# Altium PCB BEAGLEPLAYV020_220915.brd.PcbDoc (part 1 of 12) (continued)
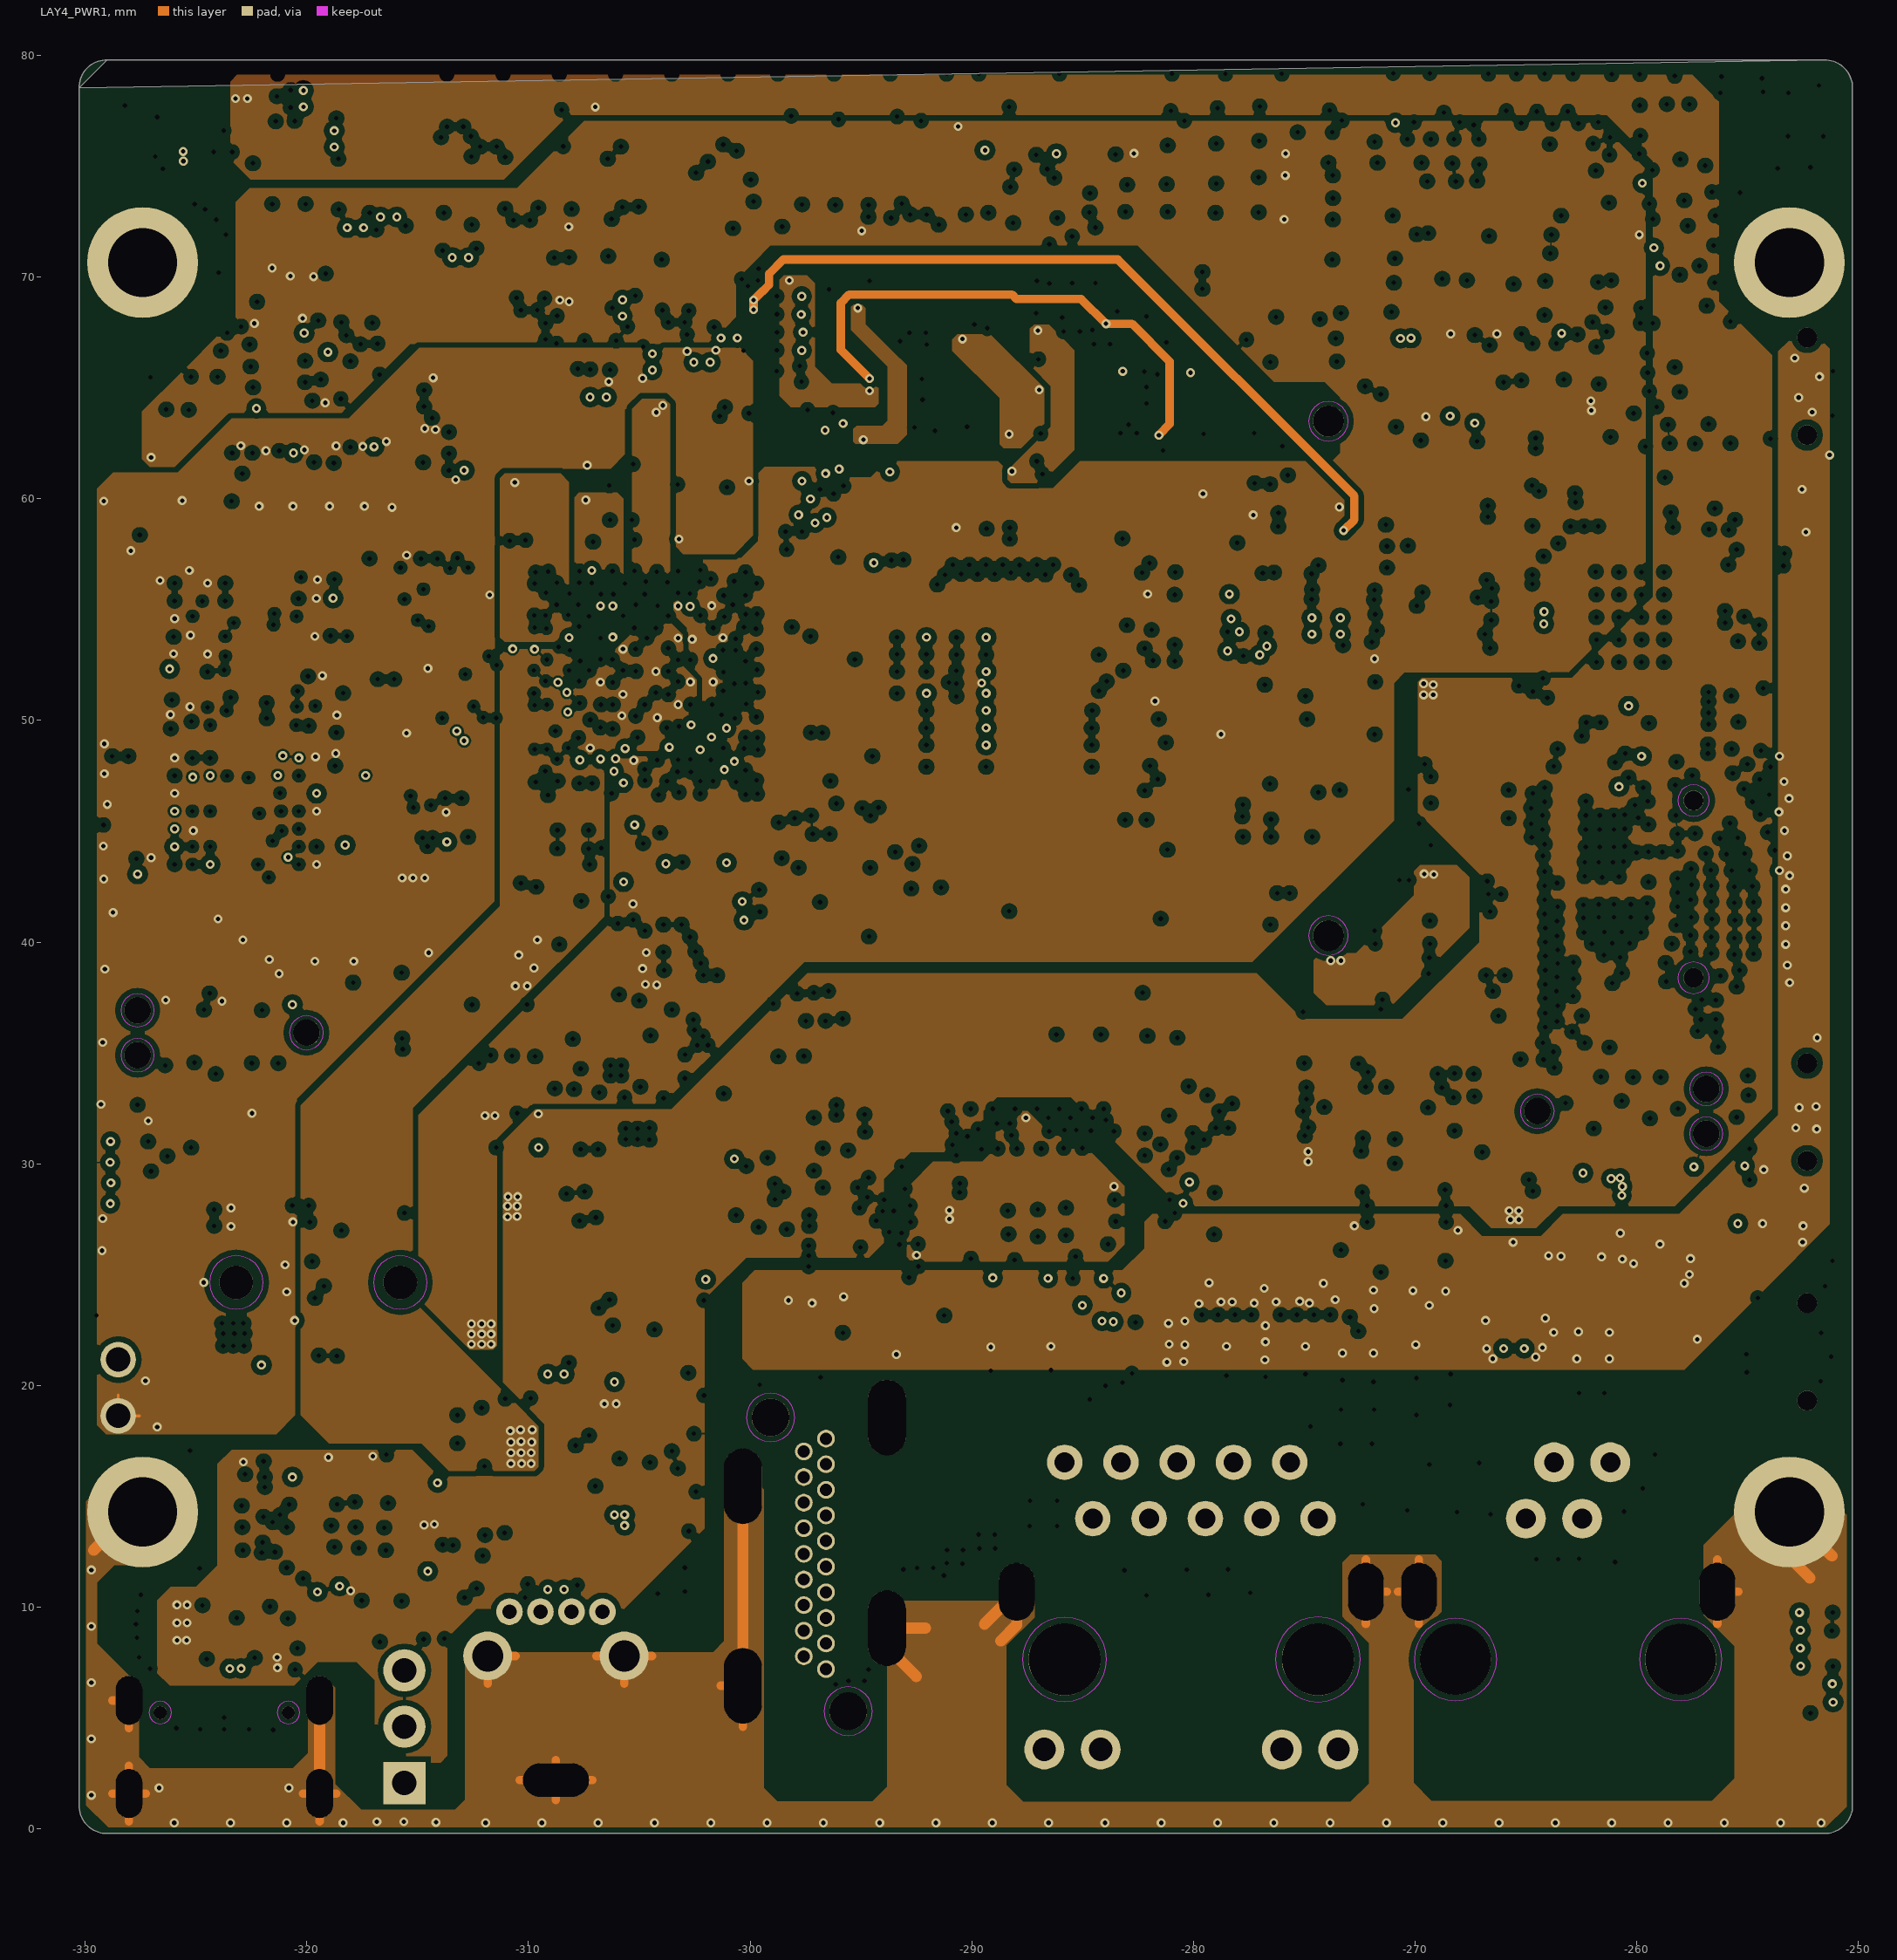
[diagram p4: LAY4_PWR1]
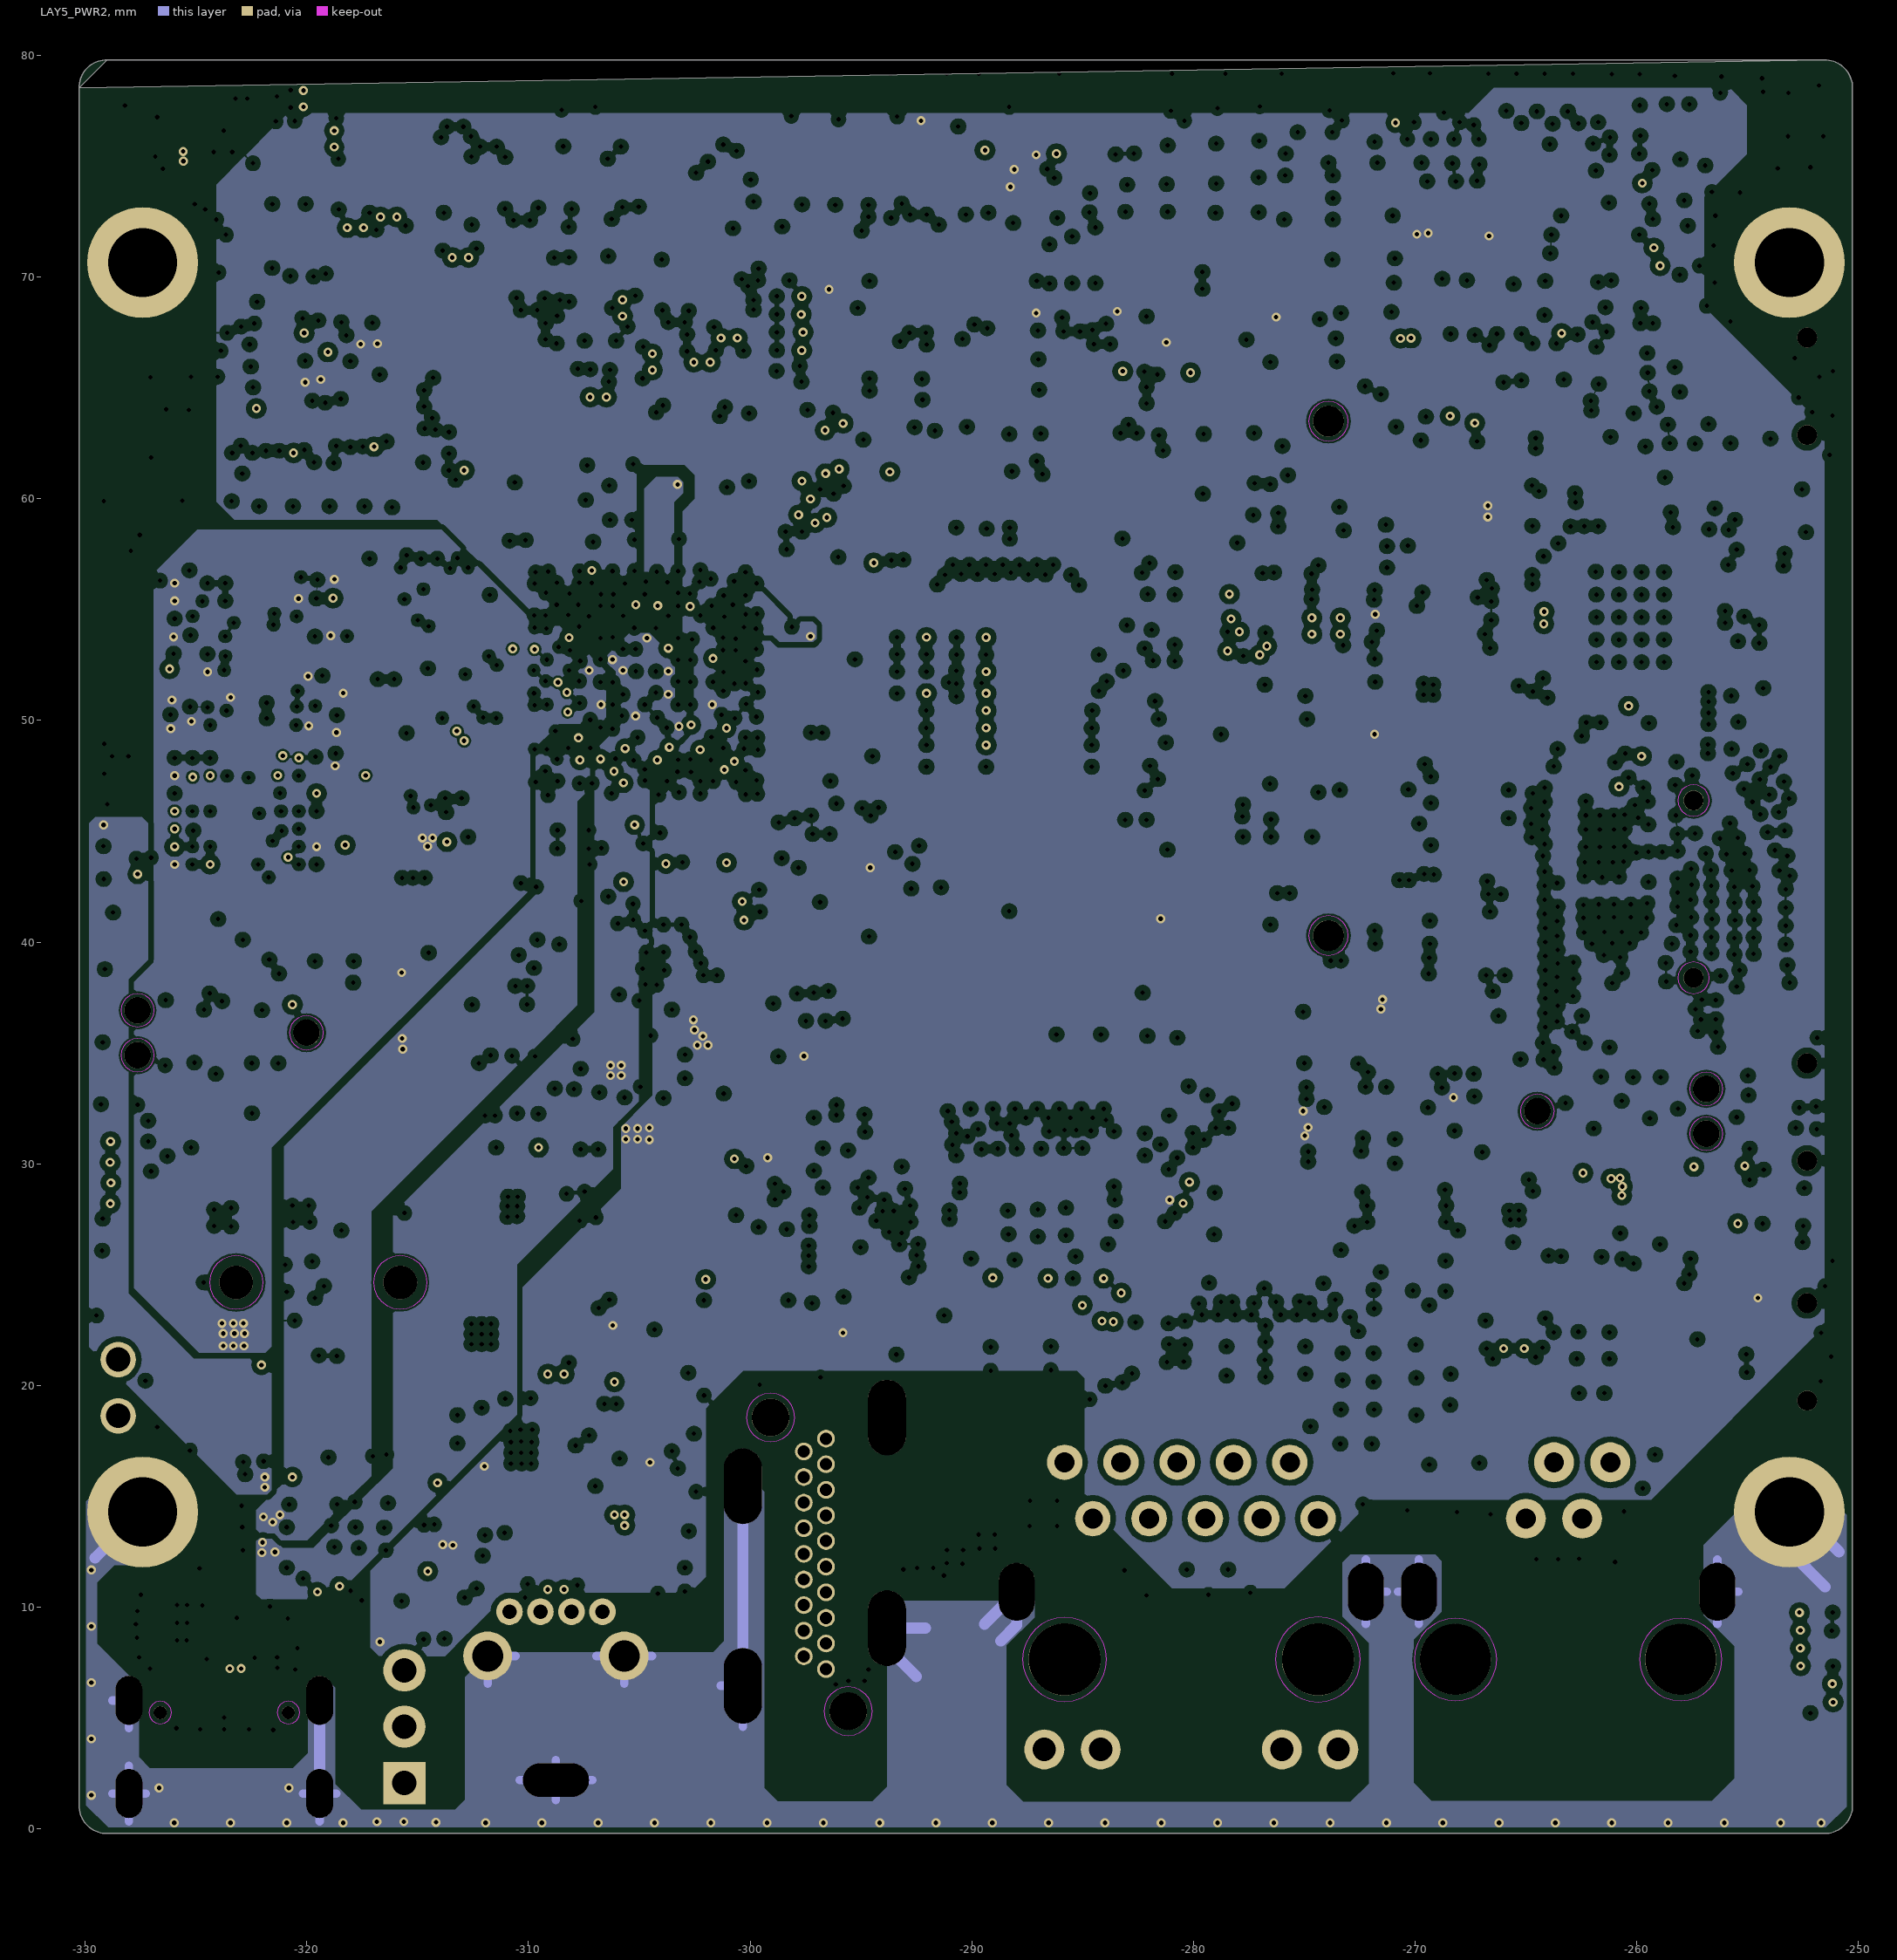
[diagram p5: LAY5_PWR2]
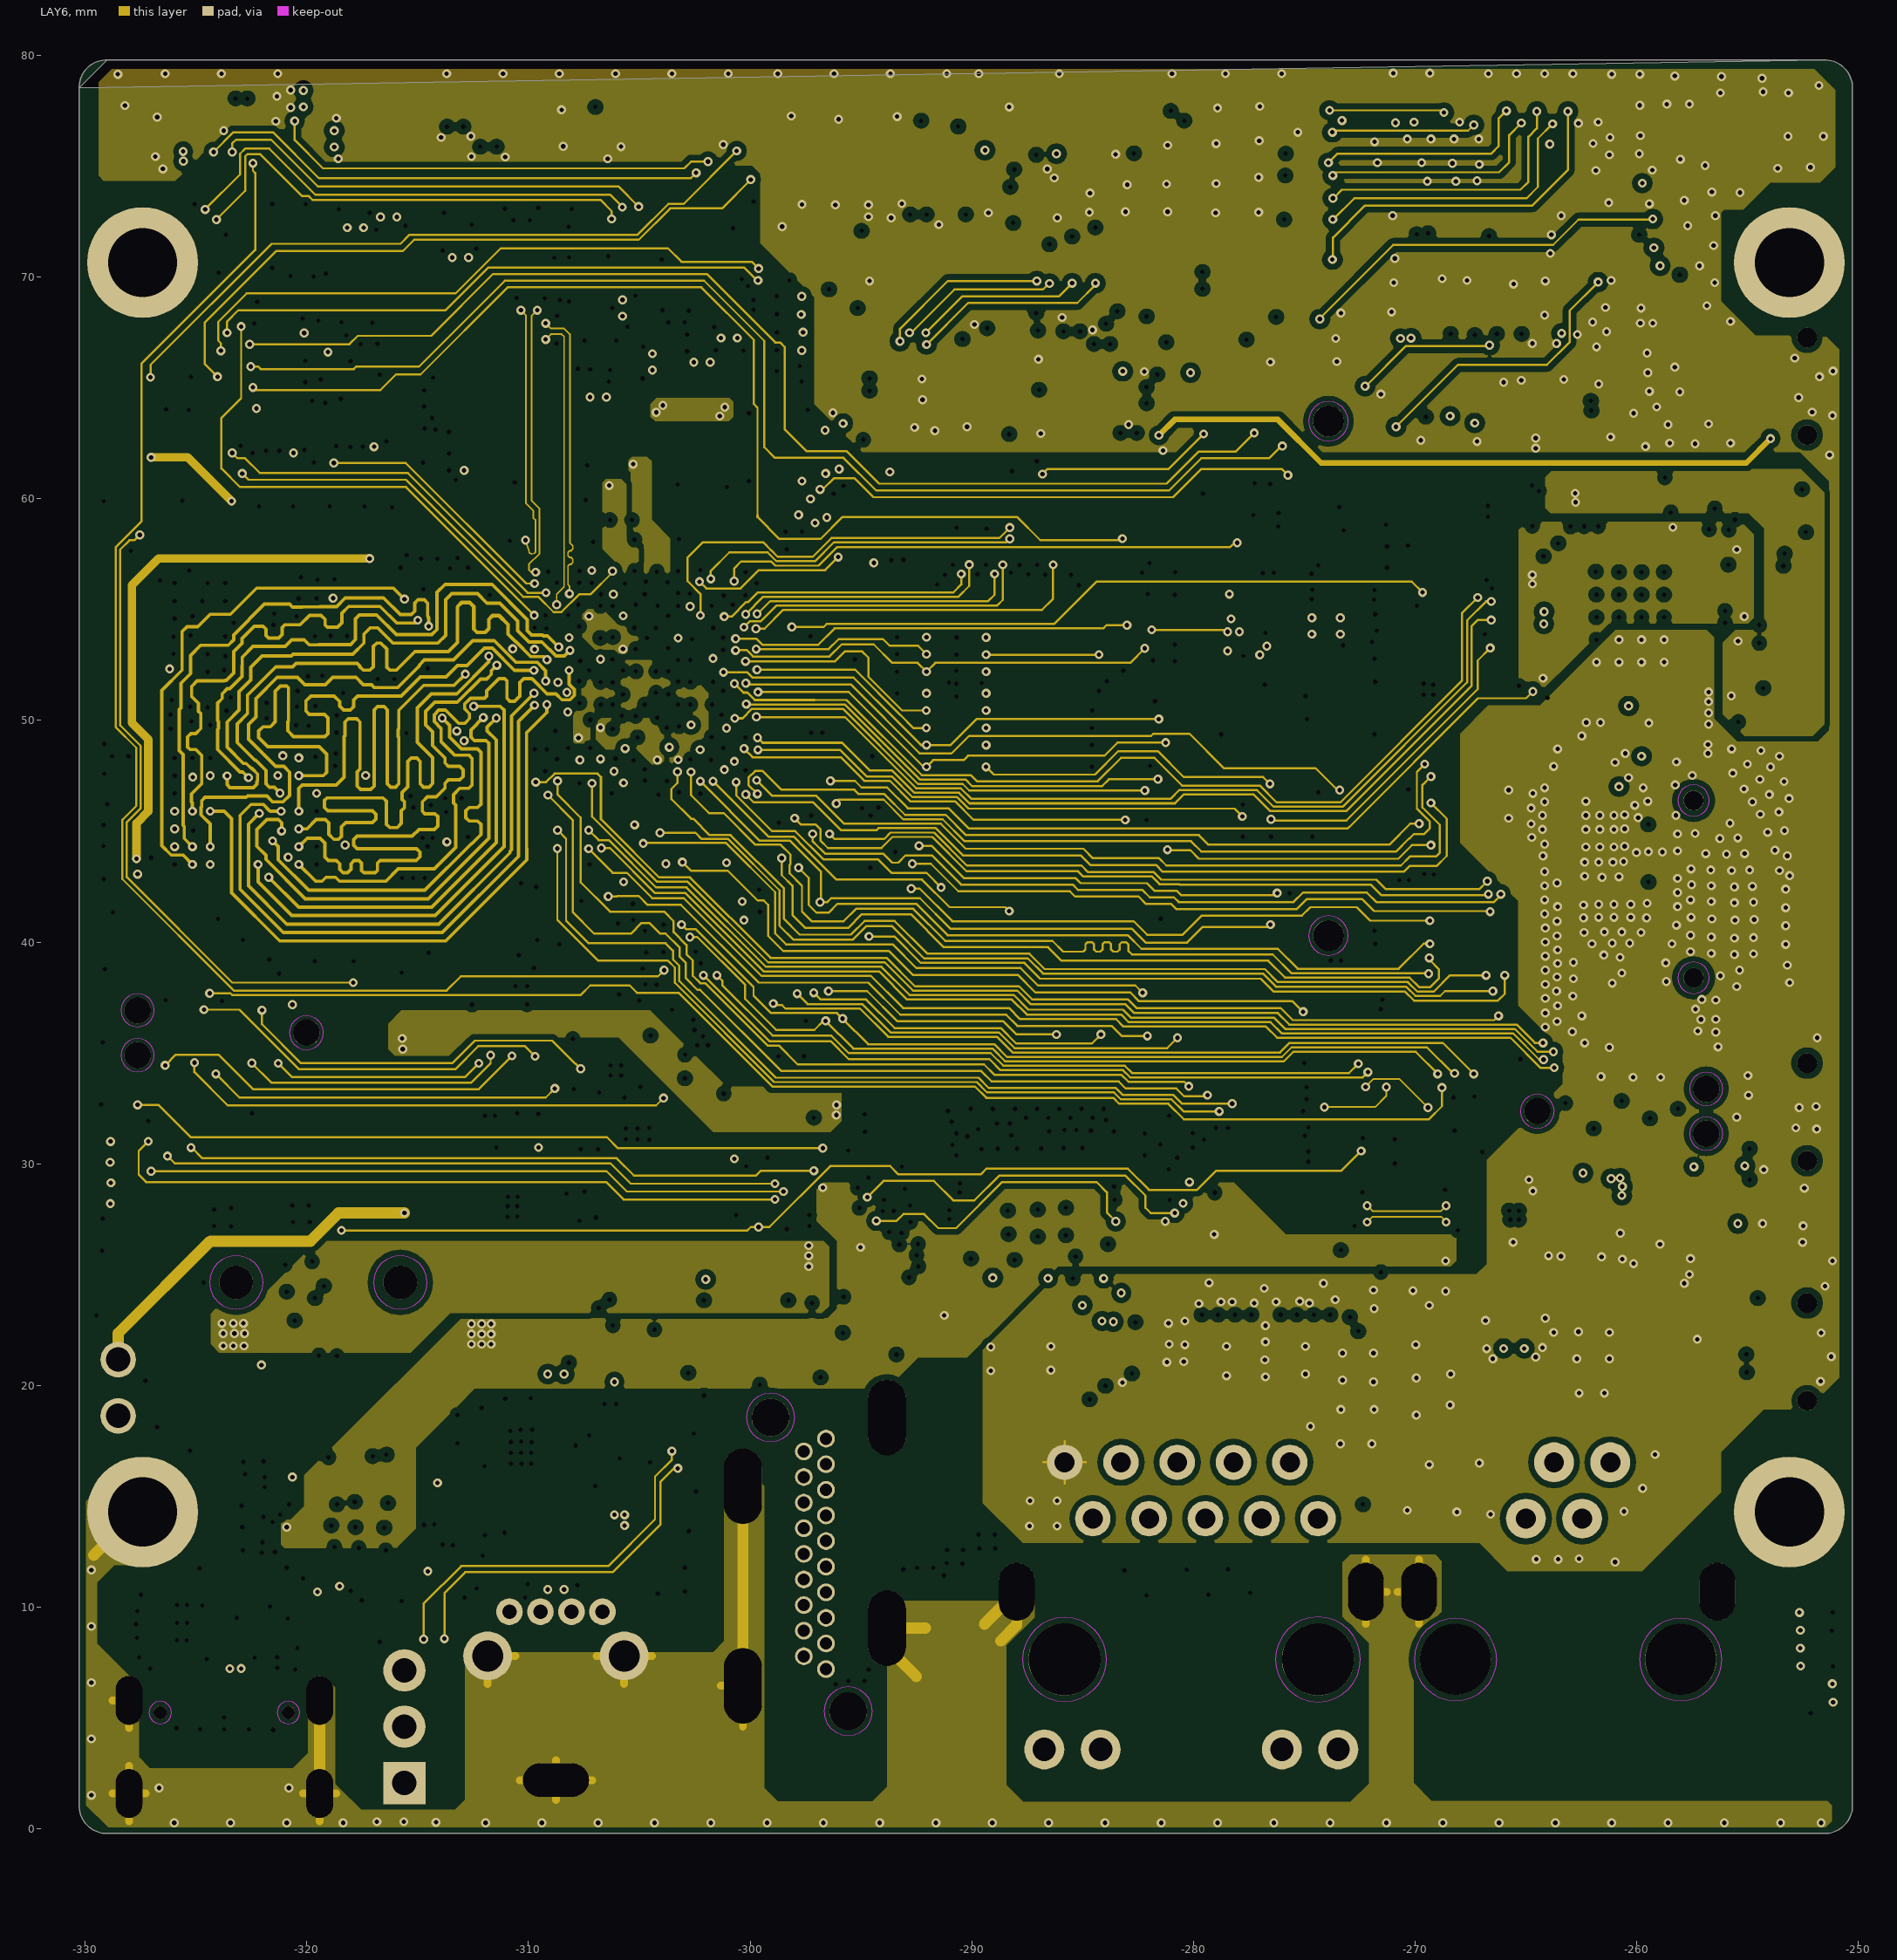
[diagram p6: LAY6]